# Altium PCB SCCM-2019-3-14.PcbDoc
Units mm, origin at the board's own origin, x right, y up, seen from the top; angles counter-clockwise.
Board outline 79.5 x 49.28 mm, 2 copper layers (Top Layer, Bottom Layer), stack 1.671 mm thick; 160 components, 88 nets, 502 pads, 32 vias.
Unrouted connection lines stored in the file: 220.
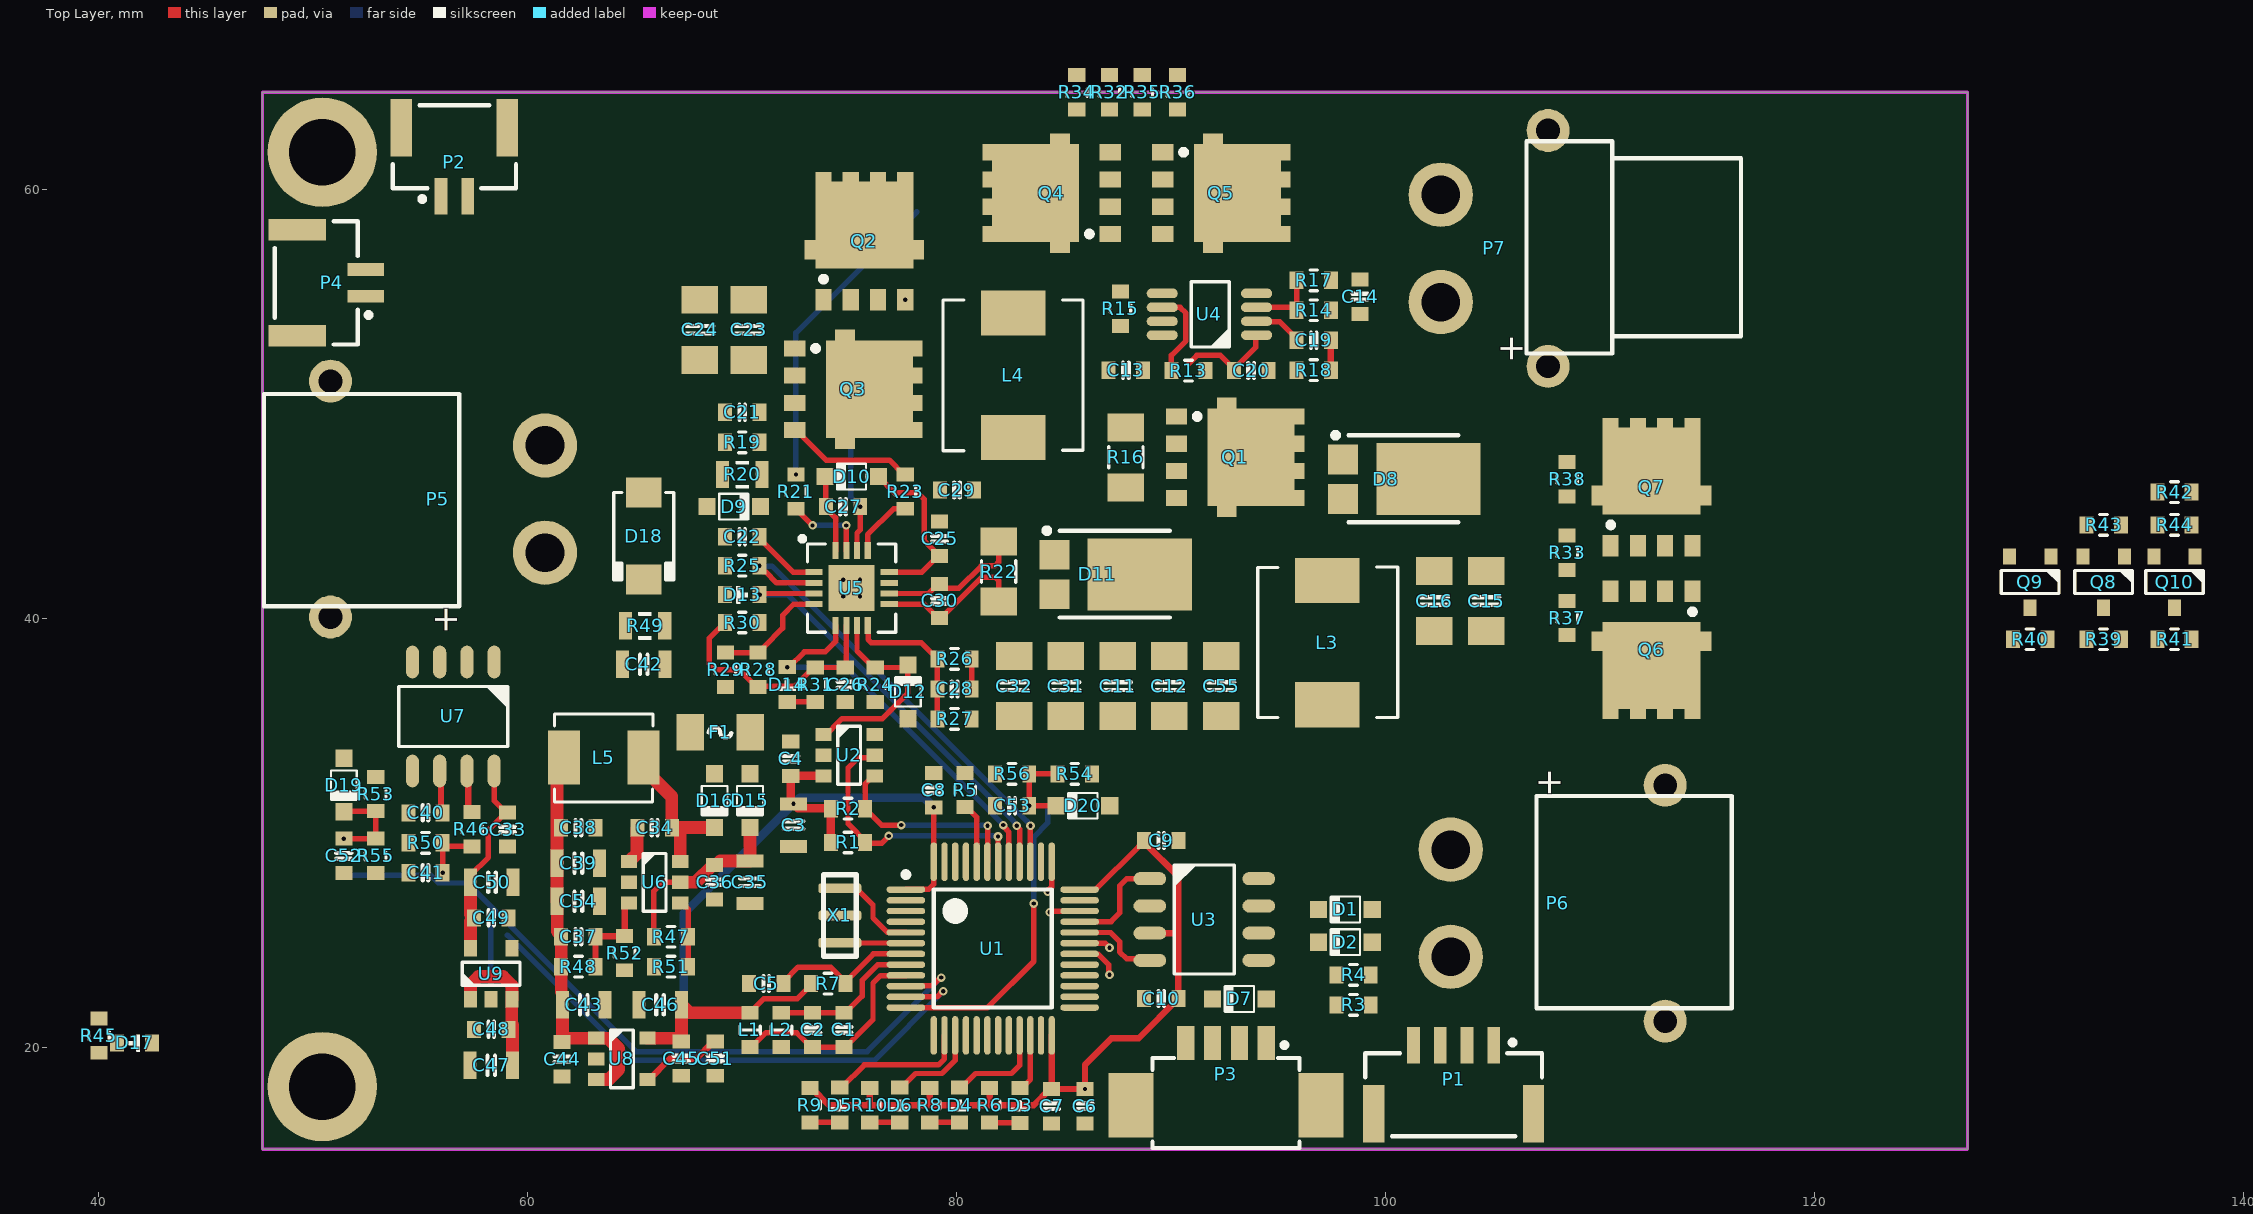
[diagram p0: Top Layer view]
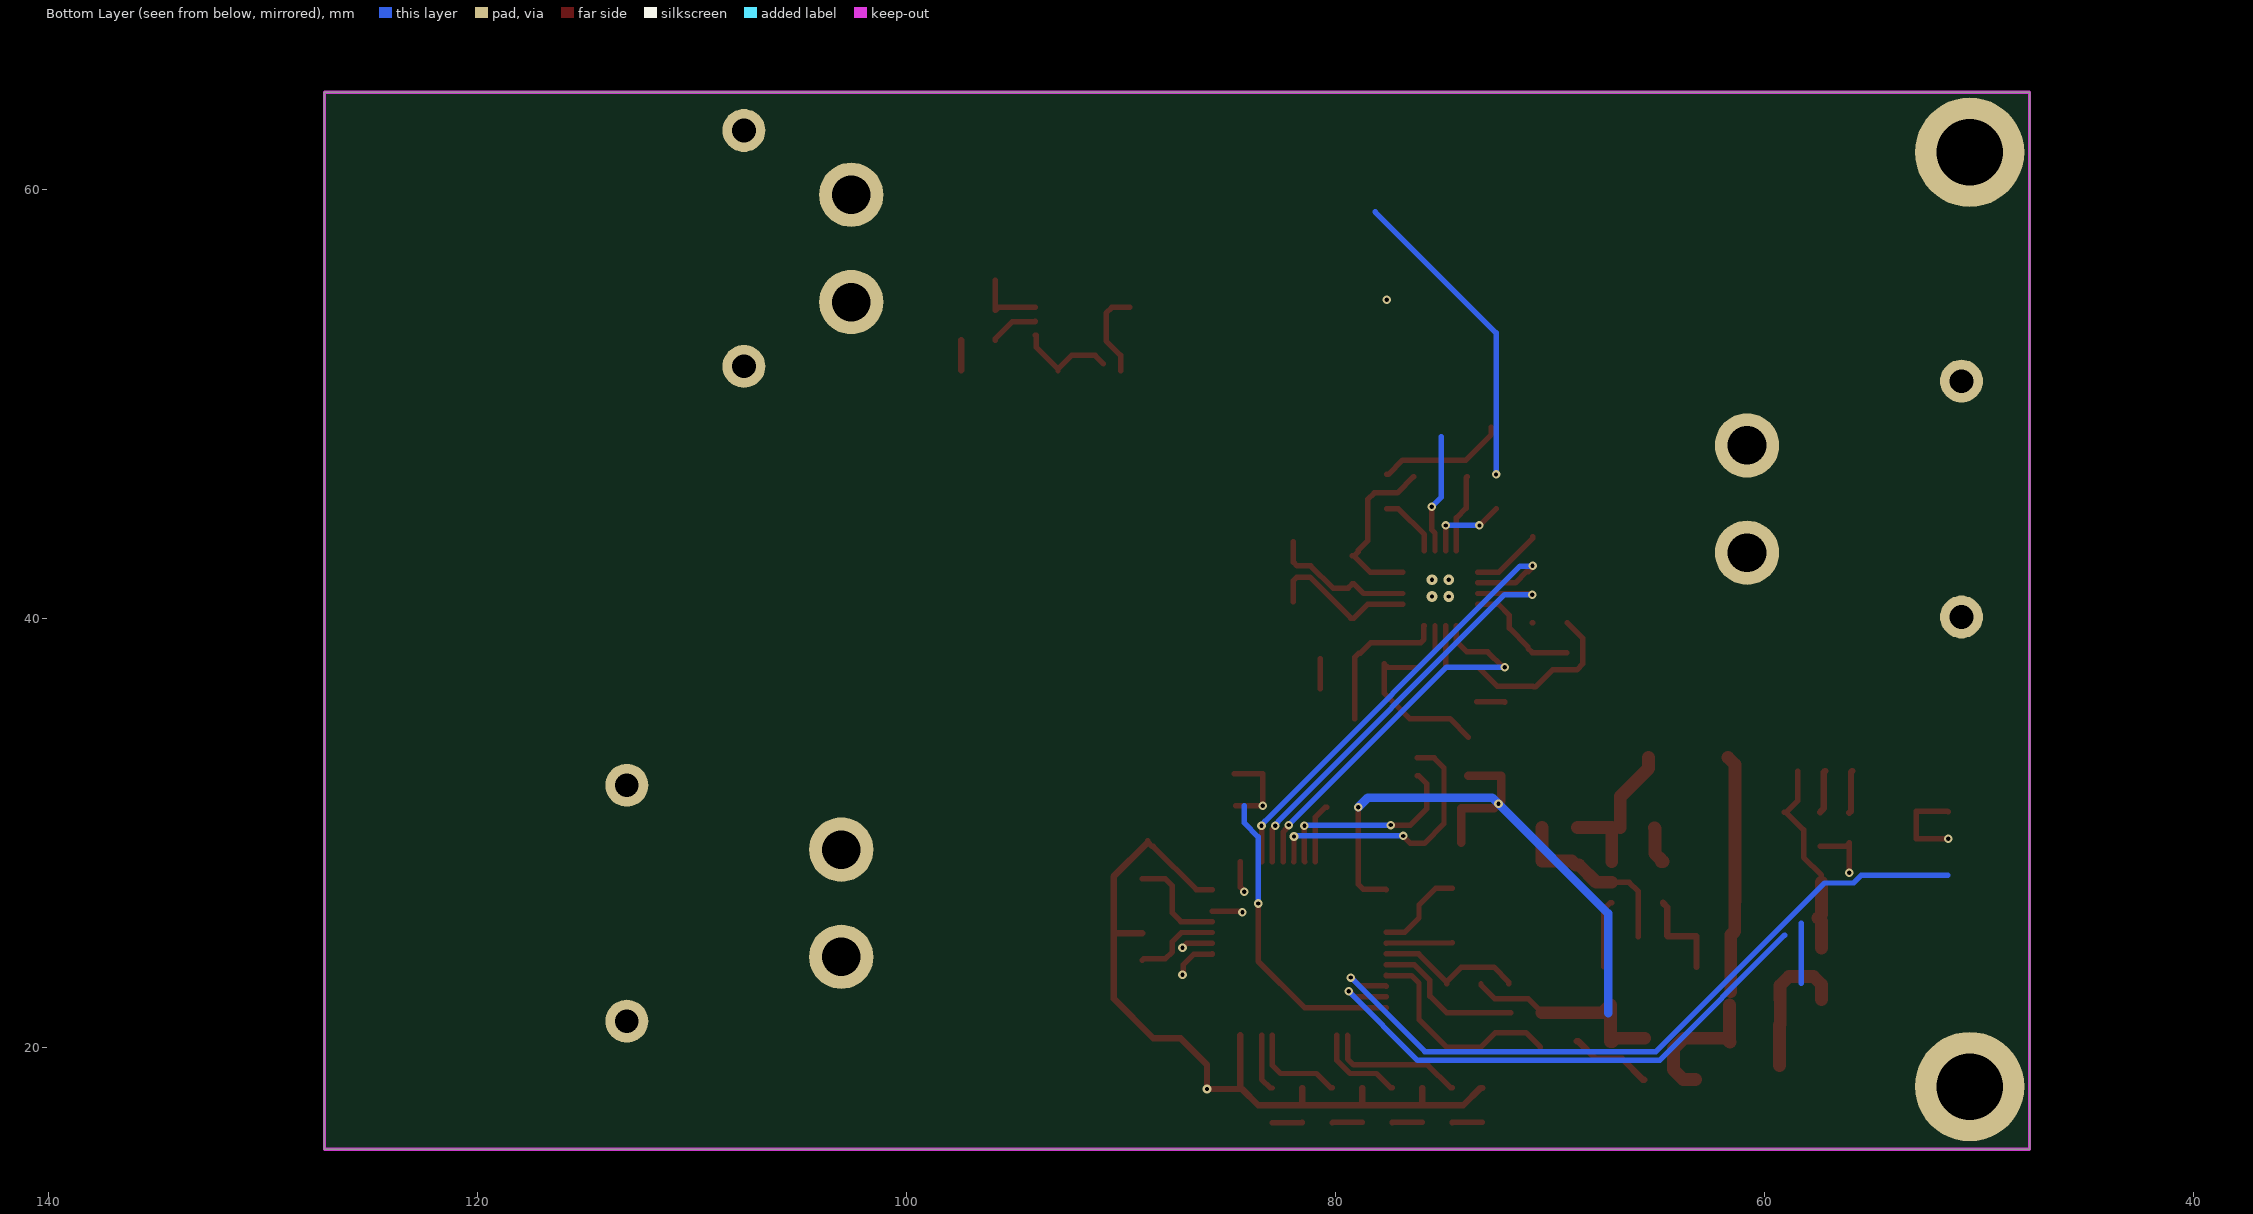
[diagram p1: Bottom Layer view, seen from below]

## Layer stack, top to bottom
Top Solder: solder mask 0.0102, Solder Resist, Dk 3.5
Top Layer: signal copper 0.0356
Dielectric 1: dielectric 1.6, FR-4, Dk 4.8
Bottom Layer: signal copper 0.0356
Bottom Solder: solder mask 0.0102, Solder Resist, Dk 3.5

## Board outline
47.625,15.24 47.625,64.516 127.127,64.516 127.127,15.24

## Design rules (kind name [scope] priority, off if disabled: settings)
Clearance Clearance_Polyon [InPolygon] p1: gap=0.254 ignorepadtopadclearanceinfootprint=FALSE except(0: Arc-Hole Track-Hole SMDPad-Hole THPad-Hole Via-Hole Fill-Hole Poly-Hole Region-Hole Text-Hole)
Clearance [All] p2: gap=0.15 ignorepadtopadclearanceinfootprint=FALSE except(0: Arc-Hole Track-Hole SMDPad-Hole THPad-Hole Via-Hole Fill-Hole Poly-Hole Region-Hole Text-Hole)
ComponentClearance [All] p1 off: gap=0.254 collisioncheckmode=3 verticalgap=2540 showdistances=FALSE
HoleToHoleClearance [All] p1: gap=0.1 allowstackedmicrovias=TRUE
PlaneClearance [All] p1: clearance=0.254
PlaneConnect [All] p1: planeconnectstyle=Direct reliefexpansion=0.508 reliefentries=4 reliefconductorwidth=0.254 reliefairgap=0.254
PolygonConnect PolygonConnect_PORT [HasFootprint('Molex-53261-0471')] p1: connectstyle=Relief reliefconductorwidth=0.254 reliefentries=4 polygonreliefangle="90 Angle" airgapwidth=0.254
PolygonConnect PolygonConnect_BTN [HasFootprint('KEY-YD-3414')] p2: connectstyle=Relief reliefconductorwidth=0.254 reliefentries=4 polygonreliefangle="90 Angle" airgapwidth=0.254
PolygonConnect PolygonConnect_CAP [HasFootprint('CAP-0603-L')] p3: connectstyle=Relief reliefconductorwidth=0.254 reliefentries=4 polygonreliefangle="90 Angle" airgapwidth=0.254
PolygonConnect PolygonConnect_Res [HasFootprint('R-0603-L')] p4: connectstyle=Relief reliefconductorwidth=0.4 reliefentries=4 polygonreliefangle="90 Angle" airgapwidth=0.254
PolygonConnect [All] p5: connectstyle=Direct reliefconductorwidth=10 reliefentries=4 polygonreliefangle="45 Angle" airgapwidth=0
RoutingPriority RoutingPriority_GND [InNet('GND')] p1: routingpriority=0
RoutingPriority [All] p2: routingpriority=1
RoutingVias [All] p1: holewidth=0.3 width=0.6 viastyle="Through Hole" minholewidth=0.2 minwidth=0.4 maxholewidth=0.711 maxwidth=1.27
SilkToSilkClearance [All] p1: silktosilkclearance=0
SilkToSolderMaskClearance [IsPad] p1: minsilkscreentomaskgap=0.1 clearancetoexposedcopper=TRUE
SolderMaskExpansion [All] p1: expansion=0.102
Width [All] p1: maxlimit=3.81 minlimit=0.1 preferedwidth=0.3
23 further rules are at their usual default settings.

## Classes and differential pairs
component class PowerPath: Q4 Q5 Q6 Q7 Q8 Q9 Q10 R32 R33 R34 R35 R36 R37 R38 R39 R40 R41 R42 R43 R44
component class Buck: C21 C22 C23 C24 C25 C26 C27 C28 C29 C30 C31 C32 D9 D10 D11 D12 D13 D14 L4 Q2 Q3 R19 R20 R21 R22 R23 R24 R25 R26 R27 R28 R29 R30 R31 U5
component class Boost: C11 C12 C13 C14 C15 C16 C19 C20 C55 D8 L3 Q1 R13 R14 R15 R16 R17 R18 U4
component class MCU: C1 C2 C3 C4 C5 C6 C7 C8 C9 C10 D1 D2 D3 D4 D5 D6 D7 L1 L2 P1 P2 P3 P4 R1 R2 R3 R4 R5 R6 R7 R8 R9 R10 U1 U2 U3 X1
component class Power: C33 C34 C35 C36 C37 C38 C39 C40 C41 C42 C43 C44 C45 C46 C47 C48 C49 C50 C51 C52 C53 C54 D15 D16 D17 D18 D19 D20 F1 L5 P5 P6 P7 R45 R46 R47 R48 R49 R50 R51 R52 R53 R54 R55 R56 U6 U7 U8 U9

## Components (designator, comment, footprint, x,y, rotation, side; value= is the part's Value field where it differs from the comment)
C1 "1uF" CAP-0603-L 74.738,20.803 r270 top
C2 "0.1uF" CAP-0603-L 73.279,20.803 r270 top
C3 "10uF" CAP-0805-L 72.39,30.353 r90 top
C4 "0.1uF" CAP-0603-L 72.263,33.443 r270 top
C5 "0.1uF" CAP-0603-L 71.12,22.962 r0 top
C6 "4.7uF" CAP-0603-L 85.979,17.247 r90 top
C7 "0.1uF" CAP-0603-L 84.42,17.247 r90 top
C8 "0.1uF" CAP-0603-L 78.929,31.979 r270 top
C9 "0.1uF" CAP-0603-L 89.535,29.629 r180 top
C10 "0.1uF" CAP-0603-L 89.535,22.263 r0 top
C11 "100uF" CAP-1206-L 87.503,36.83 r90 top
C12 "100uF" CAP-1206-L 89.916,36.83 r90 top
C13 "0.1uF" CAP-0603-L 87.884,51.562 r0 top
C14 "0.1uF" CAP-0603-L 98.806,54.991 r270 top
C15 "100uF" CAP-1206-L 104.683,40.795 r90 top
C16 "100uF" CAP-1206-L 102.27,40.795 r90 top
C19 "0.1uF" CAP-0603-L 96.647,52.959 r180 top
C20 "10nF" CAP-0603-L 93.726,51.543 r180 top
C21 "2.2uF" CAP-0603-L 70,49.6 r180 top
C22 "0.1uF" CAP-0603-L 70,43.796 r180 top
C23 "100uF" CAP-1206-L 70.306,53.444 r90 top
C24 "100uF" CAP-1206-L 68.02,53.444 r90 top
C25 "0.1uF" CAP-0603-L 79.2,43.7 r90 top
C26 "0.1uF" CAP-0603-L 74.8,36.9 r270 top
C27 "0.1uF" CAP-0603-L 74.7,45.2 r180 top
C28 "22pF" CAP-0603-L 79.9,36.7 r0 top
C29 "0.1uF" CAP-0603-L 80.01,45.974 r0 top
C30 "0.1uF" CAP-0603-L 79.2,40.8 r90 top
C31 "100uF" CAP-1206-L 85.09,36.83 r90 top
C32 "100uF" CAP-1206-L 82.677,36.83 r90 top
C33 "0.1uF" CAP-0603-L 59.055,30.146 r270 top
C34 "0.1uF" CAP-0603-L 65.913,30.226 r0 top
C35 "10uF" CAP-0805-L 70.358,27.686 r90 top
C36 "0.1uF" CAP-0603-L 68.707,27.686 r90 top
C37 "47pF" CAP-0603-L 62.357,25.146 r180 top
C38 "0.1uF" CAP-0603-L 62.357,30.226 r180 top
C39 "10uF" CAP-0805-L 62.357,28.575 r180 top
C40 "0.1uF" CAP-0603-L 55.232,30.922 r0 top
C41 "150pF" CAP-0603-L 55.232,28.128 r0 top
C42 "10nF" CAP-0805-L 65.405,37.846 r0 top
C43 "10uF" CAP-0805-L 62.611,21.971 r180 top
C44 "0.1uF" CAP-0603-L 61.595,19.431 r90 top
C45 "0.1uF" CAP-0603-L 67.158,19.464 r90 top
C46 "10uF" CAP-0805-L 66.167,21.971 r0 top
C47 "10uF" CAP-0805-L 58.293,19.15 r0 top
C48 "0.1uF" CAP-0603-L 58.293,20.828 r0 top
C49 "0.1uF" CAP-0603-L 58.293,26.025 r180 top
C50 "10uF" CAP-0805-L 58.324,27.686 r180 top
C51 "22nF" CAP-0603-L 68.738,19.464 r90 top
C52 "150pF" CAP-0603-L 51.422,28.918 r90 top
C53 "150pF" CAP-0603-L 82.581,31.255 r0 top
C54 "10uF" CAP-0805-L 62.357,26.797 r180 top
C55 "100uF" CAP-1206-L 92.329,36.83 r90 top
D1 "D3.9" SOD_323 98.121,26.416 r180 top
D2 "D3.9" SOD_323 98.121,24.892 r180 top
D3 "LED_B" LED_0603-L 82.946,17.28 r90 top
D4 "LED_W" LED_0603-L 80.135,17.294 r90 top
D5 "LED_G" LED_0603-L 74.547,17.294 r90 top
D6 "LED_R" LED_0603-L 77.341,17.294 r90 top
D7 "B5819WS" SOD_323 93.178,22.244 r180 top
D8 "SR1045L" POWERDI-5 100.838,46.482 r0 top
D9 "BZT52C27S WP" SOD_323 69.6,45.2 r0 top
D10 "B5819WS" SOD_323 75.1,46.6 r180 top
D11 "SR1045L" POWERDI-5 87.376,42.037 r0 top
D12 "Z2.1" SOD_323 77.724,36.563 r90 top
D13 "BQ_STAT" LED_0603-L 70,41.096 r0 top
D14 "BQ_PG" LED_0603-L 72.1,36.9 r90 top
D15 "B5819WS" SOD_323 70.358,31.495 r270 top
D16 "B5819WS" SOD_323 68.707,31.495 r270 top
D17 "LED_Power" LED_0603-L 41.656,20.193 r180 top
D18 "SMBJ28CA" DIODE_SMA 65.405,43.826 r270 top
D19 "Z3.9" SOD_323 51.422,32.22 r270 top
D20 "Z3.9" SOD_323 85.883,31.255 r180 top
F1 "MF-NSMF012-2" FUSE_1206 68.972,34.671 r0 top
L1 "10uH" L-0603-L 70.358,20.803 r270 top
L2 "10uH" L-0603-L 71.82,20.802 r90 top
L3 "MHCI06030-5R6M" L-0630 97.282,38.862 r90 top
L4 "MHCI06030-6R8M" L-0630 82.639,51.329 r270 top
L5 "MHCI04020-100M-R8" L-0420 63.538,33.503 r180 top
P1 "GH04" SM04B-GHS-TB 105.041,20.091 r0 top
P2 "GH02" SM02B-GHS-TB 55.952,59.665 r180 top
P3 "Molex-53261-0471" MOLEX-53261-0471 94.428,20.193 r0 top
P4 "GH02" SM02B-GHS-TB 52.451,55.011 r270 top
P5 "XT30PW_M" XT30PW-M 60.8,43.054 r90 top
P6 "XT30PW_M" XT30PW-M 103.03,29.209 r270 top
P7 "XT30PW_F" XT30PW-F 102.569,59.738 r270 top
Q1 "AON6508" DFN5X6 92.977,47.498 r0 top
Q2 "AON6508" DFN5X6 75.692,57.573 r90 top
Q3 "AON6508" DFN5X6 75.184,50.673 r0 top
Q4 "AON6407" DFN5X6 84.42,59.817 r180 top
Q5 "AON6407" DFN5X6 92.342,59.817 r0 top
Q6 "AON6407" DFN5X6 112.395,38.532 r270 top
Q7 "AON6407" DFN5X6 112.395,46.114 r90 top
Q8 "PMBT3904,215" SOT-23-3 133.477,41.684 r270 top
Q9 "PMBT3904,215" SOT-23-3 130.048,41.684 r270 top
Q10 "PMBT3904,215" SOT-23-3 136.779,41.684 r270 top
R1 "10K" R-0603-L 74.93,29.54 r180 top
R2 "10K" R-0603-L 74.93,31.115 r180 top
R3 "100R" R-0603-L 98.502,21.971 r180 top
R4 "100R" R-0603-L 98.502,23.368 r180 top
R5 "10K" R-0603-L 80.391,31.986 r90 top
R6 "4.7K" R-0603-L 81.532,17.294 r270 top
R7 "10K" R-0603-L 74.003,22.962 r180 top
R8 "4.7K" R-0603-L 78.738,17.294 r270 top
R9 "4.7K" R-0603-L 73.15,17.294 r270 top
R10 "4.7K" R-0603-L 75.944,17.294 r270 top
R13 "4R7" R-0603-L 90.805,51.543 r180 top
R14 "18.2K" R-0603-L 96.647,54.356 r0 top
R15 "44.2K" R-0603-L 87.63,54.429 r270 top
R16 "4mR" R-1206-L 87.884,47.498 r90 top
R17 "1K" R-0603-L 96.647,55.753 r180 top
R18 "1.4K" R-0603-L 96.647,51.562 r0 top
R19 "2R" R-0603-L 70,48.2 r0 top
R20 "20R" R-0805-L 70,46.7 r0 top
R21 "10R" R-0603-L 72.5,45.9 r90 top
R22 "10mR" R-1206-L 81.952,42.173 r270 top
R23 "10R" R-0603-L 77.6,45.9 r90 top
R24 "10K" R-0603-L 76.2,36.9 r90 top
R25 "10K" R-0603-L 70,42.446 r0 top
R26 "300K" R-0603-L 79.9,38.1 r0 top
R27 "33K" R-0603-L 79.9,35.3 r180 top
R28 "20K" R-0603-L 70.739,37.592 r270 top
R29 "20K" R-0603-L 69.215,37.592 r90 top
R30 "4.7K" R-0603-L 70,39.796 r0 top
R31 "4.7K" R-0603-L 73.4,36.9 r270 top
R32 "100K" R-0603-L 87.122,64.516 r90 top
R33 "100K" R-0603-L 108.458,43.053 r270 top
R34 "100K" R-0603-L 85.598,64.516 r270 top
R35 "10K" R-0603-L 88.646,64.516 r90 top
R36 "100K" R-0603-L 90.297,64.516 r270 top
R37 "10K" R-0603-L 108.458,40.005 r90 top
R38 "100K" R-0603-L 108.458,46.482 r270 top
R39 "10K" R-0603-L 133.477,39.017 r0 top
R40 "10K" R-0603-L 130.048,39.017 r180 top
R41 "4.7K" R-0603-L 136.779,39.017 r180 top
R42 "1K" R-0603-L 136.779,45.875 r0 top
R43 "10K" R-0603-L 133.477,44.351 r180 top
R44 "10K" R-0603-L 136.779,44.351 r180 top
R45 "4.7K" R-0603-L 40.005,20.536 r90 top
R46 "2K" R-0603-L 57.391,30.16 r90 top
R47 "100K" R-0603-L 66.675,25.146 r180 top
R48 "124K" R-0603-L 62.357,23.749 r180 top
R49 "33R" R-0805-L 65.469,39.65 r180 top
R50 "3K" R-0603-L 55.232,29.525 r0 top
R51 "30K" R-0603-L 66.675,23.749 r0 top
R52 "22K" R-0603-L 64.516,24.384 r90 top
R53 "20K" R-0603-L 52.908,31.801 r90 top
R54 "20K" R-0603-L 85.502,32.741 r0 top
R55 "2K" R-0603-L 52.908,28.918 r90 top
R56 "2K" R-0603-L 82.581,32.741 r0 top
U1 "STM32F103C8T6" STM-LQFP48_N 81.679,24.595 r0 top
U2 "MCP4725" SOT-23-6 74.981,33.608 r0 top
U3 "SN65HVD230DR" SOIC_8 91.542,25.947 r0 top
U4 "LM3488" MSOP_E120_P0.5_10 91.821,54.193 r180 top
U5 "BQ24640" VQFN16N 75.1,41.4 r0 top
U6 "MP2456" SOT-23-6 65.913,27.686 r0 top
U7 "ACS712ELCTR-20A" SOIC_8 56.528,35.415 r270 top
U8 "RT9193-33GB" SOT-23-5 64.389,19.451 r0 top
U9 "TPS70950DBVR" SOT-23-5 58.293,23.419 r90 top
X1 "8MHz" CSTCE_G(A)村田晶振 74.549,26.137 r90 top

## Footprints (in the part's own frame and the unit in brackets; to place one, negate y for a bottom-side part, rotate by r counter-clockwise, add the part's x,y. Pads: shape width x height; smd on the part's side, far side on the other; paste and mask are expansions set on the pad)
CAP-0603-L [mm]
  rect 0.65x0.8 smd: 1(-0.8,0) 2(0.8,0)
  silkscreen extent -0.13,-0.35 0.13,0.35, body extent -0.8,-0.4 0.8,0.4, height 0.8
CAP-0805-L [mil]
  rect 24x50 smd: 1(-39,0) 2(39,0)
  silkscreen extent -7,-18 7,18, body extent -39,-25 39,25, height 39
CAP-1206-L [mm] "Chip Capacitor, 2-Leads, Body 3.20x1.60mm, IPC Medium Density"
  rect 1.3x1.7 smd: 1(-1.4,0) 2(1.4,0)
  silkscreen extent -0.18,-0.63 0.18,0.63, body extent -1.7,-0.9 1.7,0.9, height 0.5
CSTCE_G(A)村田晶振 [mm]
  rrect50% 0.45x2 smd: 1(1.27,0) 2(0,0) 3(-1.27,0)
  silkscreen extent -1.91,-0.76 1.91,0.76, body extent -1.9,-0.8 1.9,0.8, height 1
DFN5X6 [mm]
  rect 1x0.75 smd: 1(-2.73,1.905) 2(-2.73,0.635) 3(-2.73,-0.635) 4(-2.73,-1.905) 5(2.73,-1.905) 5(2.73,-0.635) 5(2.73,0.635) 5(2.73,1.905)
  rect 0.92x0.905 smd: 5(-0.394,-2.337) 5(-0.394,2.337)
  rect 4.055x4.56 smd: 5(0.749,0)
  silkscreen extent -1.89,1.78 -1.64,2.03, body extent -3.08,-2.57 3.07,2.58, height 1.12
DIODE_SMA [mil]
  rect 55x65 smd: 1(-80,0) 2(80,0)
  silkscreen extent -80,-55 80,55, body extent -98,-53 98,53, height 85
FUSE_1206 [mm]
  rect 1.3x1.7 smd: 1(-1.4,0) 2(1.4,0)
  silkscreen extent -0.53,-0.23 0.51,0.23, body extent -1.6,-0.8 1.6,0.8, height 1.01
L-0420 [mm] "4.1*4.6*2MM(长*宽*高)"
  rect 1.5x2.5 smd: 1(-1.85,0) 2(1.85,0)
  silkscreen extent -2.3,-2.02 2.3,2.07, body extent -2.28,-2.02 2.3,2.07, height 2
L-0603-L [mm]
  rect 0.65x0.8 smd: 1(-0.8,0) 2(0.8,0)
  silkscreen extent -0.18,-0.48 0.18,0.48, body extent -0.8,-0.4 0.8,0.4, height 0.45
L-0630 [mm] "7*6.6*2.8MM(长*宽*高)"
  rect 2.1x3 smd: 1(-2.9,0) 2(2.9,0)
  silkscreen extent -3.5,-3.27 3.52,3.25, body extent -3.5,-3.25 3.52,3.25, height 2.8
LED_0603-L [mm]
  rect 0.65x0.8 smd: 1(-0.813,0) 2(0.813,0)
  silkscreen extent -0.25,-0.39 0.25,0.39, body extent -0.81,-0.4 0.81,0.4, height 0.6
MOLEX-53261-0471 [mm] "卧式1.25mm Pitch PicoBlade Header"
  rect 0.8x1.6 smd: 1(0,0) 2(-1.25,0) 3(-2.5,0) 4(-3.75,0)
  rect 2.1x3 smd: 5(-6.3,-2.9) 6(2.55,-2.9)
  silkscreen extent -5.3,-4.9 1.55,0, body extent -6.98,-4.97 3.17,0.23, height 3.4
MSOP_E120_P0.5_10 [mm]
  oval 1.45x0.45 smd: 1(-2.159,1) 2(-2.159,0.35) 3(-2.159,-0.3) 4(-2.159,-0.95) 5(2.241,-0.95) 6(2.241,-0.3) 7(2.241,0.35) 8(2.241,1)
  silkscreen extent -0.89,-1.5 0.89,1.55, body extent -2.45,-1.47 2.45,1.52, height 0.97
POWERDI-5 [mm]
  rect 1.4x1.39 smd: 1(-2.825,0.92) 2(-2.825,-0.92)
  rect 4.86x3.36 smd: 3(1.157,0)
  silkscreen extent -3.3,-2 2.55,2.17, body extent -3.3,-2.01 3.3,2.04, height 1.17
R-0603-L [mm]
  rect 0.65x0.8 smd: 1(-0.8,0) 2(0.8,0)
  silkscreen extent -0.18,-0.48 0.18,0.48, body extent -0.8,-0.4 0.8,0.4, height 0.45
R-0805-L [mil]
  rect 24x50 smd: 1(-36,0) 2(36,0)
  silkscreen extent -12,-24 12,24, body extent -39,-25 39,25, height 24
R-1206-L [mm] "Chip Res, 2-Leads, Body 3.20x1.60mm, IPC Medium Density"
  rect 1.3x1.7 smd: 1(-1.4,0) 2(1.4,0)
  silkscreen extent -0.5,-0.8 0.5,0.8, body extent -1.6,-0.8 1.6,0.8, height 1.01
SM02B-GHS-TB [mm] "GH02卧式"
  rect 0.6x1.7 smd: 1(0,0) 2(-1.25,0)
  rect 1x2.7 smd: 3(-3.1,-3.2) 4(1.85,-3.2)
  silkscreen extent -3.5,-4.25 2.25,0.22, body extent -3.5,-4.3 2.25,0.55, height 4.35
SM04B-GHS-TB [mm] "GH04卧式"
  rect 0.6x1.7 smd: 1(0,0) 2(-1.25,0) 3(-2.5,0) 4(-3.75,0)
  rect 1x2.7 smd: 5(-5.6,-3.2) 6(1.85,-3.2)
  silkscreen extent -6,-4.25 2.25,0.22, body extent -6,-4.3 2.25,0.55, height 4.35
SOD_323 [mm]
  rect 0.8x0.8 smd: 1(-1.25,0) 2(1.25,0)
  silkscreen extent -0.67,-0.6 0.72,0.6, body extent -1.3,-0.68 1.3,0.68, height 1.1
SOIC_8 [mil]
  oval 60x24 smd: 1(-100,75) 2(-100,25) 3(-100,-25) 4(-100,-75) 5(100,-75) 6(100,-25) 7(100,25) 8(100,75)
  silkscreen extent -55,-100 55,100, body extent -118,-96 118,96, height 69
SOT-23-3 [mil]
  rect 30x24 smd: 1(-47,38) 2(-47,-38) 3(47,0)
  silkscreen extent -21,-53 21,53, body extent -55,-57 55,57, height 51
SOT-23-5 [mil]
  rect 30x24 smd: 1(-47,38) 2(-47,0) 3(-47,-38) 4(47,-38) 5(47,38)
  silkscreen extent -21,-53 21,53, body extent -55,-57 55,57, height 57
SOT-23-6 [mil]
  rect 30x24 smd: 1(-47,38) 2(-47,0) 3(-47,-38) 4(47,-38) 5(47,0) 6(47,38)
  silkscreen extent -21,-53 21,53, body extent -55,-57 55,57, height 57
STM-LQFP48_N [mm] "QFP, 48-Leads, Body 7x7mm, Pitch 0.5mm, IPC Medium Density"
  oval 1.8x0.3 smd: 1(-4.05,2.75) 2(-4.05,2.25) 3(-4.05,1.75) 4(-4.05,1.25) 5(-4.05,0.75) 6(-4.05,0.25) 7(-4.05,-0.25) 8(-4.05,-0.75) 9(-4.05,-1.25) 10(-4.05,-1.75) 11(-4.05,-2.25) 12(-4.05,-2.75) 25(4.05,-2.75) 26(4.05,-2.25) 27(4.05,-1.75) 28(4.05,-1.25) 29(4.05,-0.75) 30(4.05,-0.25) 31(4.05,0.25) 32(4.05,0.75) 33(4.05,1.25) 34(4.05,1.75) 35(4.05,2.25) 36(4.05,2.75)
  oval 0.3x1.8 smd: 13(-2.75,-4.05) 14(-2.25,-4.05) 15(-1.75,-4.05) 16(-1.25,-4.05) 17(-0.75,-4.05) 18(-0.25,-4.05) 19(0.25,-4.05) 20(0.75,-4.05) 21(1.25,-4.05) 22(1.75,-4.05) 23(2.25,-4.05) 24(2.75,-4.05) 37(2.75,4.05) 38(2.25,4.05) 39(1.75,4.05) 40(1.25,4.05) 41(0.75,4.05) 42(0.25,4.05) 43(-0.25,4.05) 44(-0.75,4.05) 45(-1.25,4.05) 46(-1.75,4.05) 47(-2.25,4.05) 48(-2.75,4.05)
  silkscreen extent -4.17,-2.75 2.75,3.57, body extent -3.5,-3.5 3.5,3.5, height 1.6
VQFN16N [mm]
  rect 0.8x0.28 smd: 1(-1.75,0.75) 2(-1.75,0.25) 3(-1.75,-0.25) 4(-1.75,-0.75) 9(1.75,-0.75) 10(1.75,-0.25) 11(1.75,0.25) 12(1.75,0.75)
  rect 0.28x0.8 smd: 5(-0.75,-1.75) 6(-0.25,-1.75) 7(0.25,-1.75) 8(0.75,-1.75) 13(0.75,1.75) 14(0.25,1.75) 15(-0.25,1.75) 16(-0.75,1.75)
  rect 2.14x2.14 smd: 17(0,0)
  silkscreen extent -2.4,-2.06 2.06,2.4, body extent -1.75,-1.75 1.75,1.75, height 1
XT30PW-F [mm]
  round 2 hole 1.1: 0(-3,5) 0(8,5)
  round 3 hole 1.8: 1(5,0) 2(0,0)
  silkscreen extent -2.5,4 7.4,14, body extent -4.15,-0.9 9.15,14, height 5.1
XT30PW-M [mm]
  round 2 hole 1.1: 0(-3,10) 0(8,10)
  round 3 hole 1.8: 1(0,0) 2(5,0)
  silkscreen extent -2.5,4 7.4,13.1, body extent -4.2,-0.88 9.1,13.08, height 5.15

## Part data
C1 C2 C3 C4 C5 C6 C7 C8 C9 C10 C11 C12 C13 C14 C15 C16 C19 C20 C21 C22 C23 C24 C25 C26 C27 C28 C29 C30 C31 C32 C33 C34 C35 C36 C37 C38 C39 C40 C41 C42 C43 C44 C45 C46 C47 C48 C49 C50 C51 C52 C53 C54 C55: library part CAP
D1 D2 D9 D12 D19 D20: library part Diode_ZD
D3 D4 D5 D6 D13 D14 D17: library part LED
D7 D10 D15 D16: library part Diode
D8 D11: library part Diode_1
D18: library part TVS_C
F1: library part Fuse
L1 L2 L3 L4 L5: library part Inductor, "电感"
P1: library part GHS-M04B, "04GH座"
P2 P4: library part GHS-M02B, "02GH座"
P3: "1.25mm Pitch PicoBlade Header"
P5 P6 P7: library part XT30, "XT30"
Q1 Q2 Q3: library part MOS-N_1
Q4 Q5 Q6 Q7: library part MOS-P_1
Q8 Q9 Q10: library part BJT_NPN, "Transistor"
R1 R2 R3 R4 R5 R6 R7 R8 R9 R10 R13 R14 R15 R16 R17 R18 R19 R20 R21 R22 R23 R24 R25 R26 R27 R28 R29 R30 R31 R32 R33 R34 R35 R36 R37 R38 R39 R40 R41 R42 R43 R44 R45 R46 R47 R48 R49 R50 R51 R52 R53 R54 R55 R56: library part Res
U1: "ARM Cortex-M3 32-bit MCU, 64 KB Flash, 20 KB Internal RAM, 37 I/Os, 48-pin LQFP, -40 to 85 degC, Tray", I/Os (High Current)=37, Operating Frequency(F) (Processor speed) (MHz)=72, Supplier Part Number 1=497-6063-ND, Supply Voltage(Vcc) min (V)=2, A/D Converter="2x12-bit (10 Channel)", ComponentLink1Description="Manufacturer URL", ComponentLink1URL=http://www.st.com/web/en/home.html, ComponentLink2Description=Datasheet, ComponentLink2URL=http://www.st.com/st-web-ui/static/active/en/resource/technical/document/datasheet/CD00161566.pdf, ComponentLink3Description="Package Specification", ComponentLink3URL=http://www.st.com/st-web-ui/static/active/en/resource/technical/document/datasheet/DM00058181.pdf, Core="ARM Cortex-M3", DatasheetVersion="Rev. 16", FLASH Size (Prog) (kB)=64, Internal RAM Size (kB)=20, Mounting Technology="Surface Mount", PackageDescription="48-Pin Low Profile Quad Flat Package, 7 x 7 mm Body, 0.5 mm Pitch", PackageReference=LQFP48, PackageVersion="Rev. 6, 06/2013", Packing=Tray, PartNumber=STM32F103C8T6, Supplier 1=Digi-Key, Supplier 2=Farnell, Supplier 3=Newark, Supplier 4=Newark, Supplier 5=Mouser, Supplier Part Number 2=1447637, Supplier Part Number 3=59M2182, Supplier Part Number 4=57P1222, Supplier Part Number 5=511-STM32F103C8T6
U2: "I2C 12bit DAC"
U3: "CANоƬ"
U4: "Automotive High-Efficiency Controller for Boost, SEPIC and Fly-Back DC-DCConverters"
U5: "用于超级电容器的高效同步开关模式电池充电控制器"
U7: library part ACS712ELCTR, "电流测量芯片"
U8: library part RT9193, "LDO"
U9: library part TPS709, "具有使能端的 150-mA 超低 Iq LDO"
X1: library part XTAL-3215

## Free pads (board coordinates)
  round 5.1 hole 3.1: 0(50.419,18.161) 0(50.419,61.722)

## Via types
v1: diameter 0.4, hole 0.2, Top Layer to Bottom Layer, tented both sides, 28 vias
v2: diameter 0.5, hole 0.2, Top Layer to Bottom Layer, 4 vias

## Nets (pads, with @x,y where several pads share a name; then routed paths per layer and width w, separated by ;. In a path a pad name is that pad's centre, name@x,y a point inside that pad or via, vN(x,y) a via of type N, cw(c..) or ccw(c..) an arc to the next point about the centre after c; other vN are vias at no path point)
BAT_IAD: C41.2 R46.1 R50.2 U1.11 | length 31.6
  Top Layer w0.254: v1(56.032,28.128) R50.2 56.197,29.36 R46.1 ; U1.11 79.074,22.345 79.335,22.606 v1(79.375,22.606)
  Bottom Layer w0.254: 58.279,22.974 58.279,25.77 ; 59.044,25.22 64.877,19.386 76.155,19.386 v1(79.375,22.606)
BAT_VAD: C52.2 D19.2 R53.1 R55.2 U1.10 | length 38.8
  Top Layer w0.254: v1(51.422,29.718) R55.2 R53.1 51.453,31.001 D19.2 ; U1.10 77.638,22.853 78.848,22.853 79.235,23.241 v1(79.275,23.241)
  Bottom Layer w0.254: 51.435,28.016 55.47,28.016 55.835,27.651 57.185,27.651 65.046,19.79 75.824,19.79 v1(79.275,23.241)
BQ_EN: R25.2 U1.39 U5.2 | length 22.3
  Top Layer w0.254: v1(70.8,42.446) 70.8,42.371 70.998,42.173 71.073,42.173 71.596,41.65 U5.2 ; U1.39 83.434,28.65 83.434,30.323 v1(83.439,30.328)
  Bottom Layer w0.254: v1(70.8,42.446) 70.821,42.425 71.381,42.425 83.281,30.525 83.439,30.367 v1(83.439,30.328)
BQ_ISET: D12.2 R24.2 U2.1 U5.7 | length 10.1
  Top Layer w0.254: U2.1@73.787,34.446 74.653,35.313 76.532,35.313 77.724,36.505 D12.2 77.724,37.874 77.55,37.7 R24.2 76.125,37.7 75.35,38.475 U5.7
BQ_ISRN: C28.2 C30.1 C31.2 C32.2 D11.1 D11.2 R22.2 R26.2 U5.9 | length 8.6
  Top Layer w0.254: U5.9 78.475,40.65 79.125,40 79.275,40 81.185,41.91 81.788,41.91 81.952,41.746 R22.2 ; C28.2 R26.2
BQ_ISRP: C29.2 C30.2 L4.2 R22.1 U5.10 | length 6.8
  Top Layer w0.254: U5.10 78.675,41.15 79.125,41.6 C30.2 79.398,41.402 80.105,41.402 81.143,42.44 81.782,42.44 81.952,42.61 R22.1
BQ_PG: D14.2 U1.41 U5.5 | length 18.4
  Top Layer w0.254: v1(72.1,37.713) 72.175,37.713 72.896,38.434 73.867,38.434 74.35,38.917 U5.5 ; v1(82.169,30.353) 82.169,30.313 82.327,30.155 82.327,30.13 82.429,30.028 U1.41
  Bottom Layer w0.254: v1(72.1,37.713) 74.809,37.713 v1(82.169,30.353)
BQ_STAT: D13.2 U1.40 U5.3 | length 20.8
  Top Layer w0.254: v1(70.813,41.096) 70.867,41.15 U5.3 ; v1(82.804,30.328) 82.804,30.288 82.929,30.163 U1.40
  Bottom Layer w0.254: v1(70.813,41.096) 72.101,41.096 82.646,30.551 82.646,30.525 82.804,30.367 v1(82.804,30.328)
BQ_TS_1V65: R28.1 R29.2 U5.4 | length 5.5
  Top Layer w0.254: R29.2 R28.1 70.814,38.392 71.012,38.59 71.012,38.665 71.882,39.535 71.882,40.132 72.4,40.65 U5.4
BQ_VFB: C28.1 R26.1 R27.2 U5.8 | length 7.1
  Top Layer w0.254: U5.8 75.863,39.637 75.863,39.011 76.012,38.862 78.338,38.862 78.827,38.373 78.902,38.373 79.1,38.175 R26.1 C28.1 R27.2
BQ_VREF_3V3: C26.1 R28.2 R30.1 R31.1 U5.6 | length 11.3
  Top Layer w0.254: R30.1@69.187,39.796 68.453,39.062 68.453,37.877 68.738,37.592 69.864,37.592 70.664,36.792 R28.2 ; R28.2@70.8,36.83 72.455,36.83 73.325,37.7 R31.1 C26.1 74.85,37.75 U5.6
CAN_H: P2.1 P4.1 U3.7
CAN_L: P2.2 P4.2 U3.6
CAN_RX: U1.32 U3.4 | length 4.1
  Top Layer w0.254: U1.32 87.177,25.345 87.599,24.923 87.599,24.44 87.93,24.11 88.934,24.11 U3.4
CAN_TX: U1.33 U3.1 | length 4.8
  Top Layer w0.254: U1.33 85.738,25.853 87.194,25.853 87.599,26.258 87.599,27.517 87.934,27.852 U3.1
CAP_VAD: C53.2 D20.2 R54.1 R56.2 U1.12 | length 18.4
  Top Layer w0.254: U1.12 81.434,21.845 83.592,24.003 v1(83.592,26.695) ; R56.2 R54.1 ; R56.2 v1(83.381,31.255) D20.2
  Bottom Layer w0.254: v1(83.592,26.695) 83.592,29.806 84.239,30.453 84.239,31.255
GND: C3.1 C4.1 C5.1 C6.1 C7.1 C8.1 C9.1 C10.1 C11.1 C12.1 C13.1 C14.1 C15.1 C16.1 C20.1 C21.2 C22.2 C23.1 C24.1 C25.2 C26.2 C29.1 C31.1 C32.1 C33.2 C35.1 C36.1 C38.1 C39.1 C40.1 C41.1 C42.1 C43.1 C44.1 C45.1 C46.1 C47.1 C48.1 C49.1 C50.1 C51.1 C52.1 C53.1 C54.1 C55.1 D1.1 D2.1 D9.1 D12.1 D16.1 D17.2 D18.1 D19.1 D20.1 L2.1 P1.2 P1.5 P1.6 P2.3 P2.4 P3.2 P3.5 P3.6 P4.3 P4.4 P5.2 P6.2 P7.2 pad.0@50.419,61.722 Q3.1 Q3.2 Q3.3 Q8.2 Q9.2 Q10.2 R5.2 R15.1 R16.1 R17.1 R18.1 R24.1 R25.1 R27.1 R29.1 R34.1 R36.1 R38.1 R43.2 R44.2 R50.1 R51.1 R52.1 R55.1 R56.1 U1.23 U1.35 U1.47 U2.2 U2.6 U3.2 U3.8 U4.4 U4.5 U5.11 U5.17 U6.2 U7.5 U8.2 U9.2 X1.2
  other v2: 74.706,41.006 75.494,41.006 74.706,41.794 75.494,41.794
I2C_SCL: R1.1 U1.42 U2.5 | length 12.7
  Top Layer w0.254: U2.5@76.175,33.481 75.391,33.481 74.93,33.02 74.93,30.415 75.842,29.503 76.493,29.503 v1(76.835,29.845) ; v1(81.922,29.82) 81.922,28.652 U1.42
  Bottom Layer w0.254: v1(76.835,29.845) v1@81.922,29.845
I2C_SDA: R2.1 U1.43 U2.4 | length 9.5
  Top Layer w0.254: U2.4 76.098,32.643 75.73,32.274 R2.1 76.492,30.353 v1(77.416,30.353) ; U1.43 81.438,28.653 v1(81.438,30.328)
  Bottom Layer w0.254: v1(77.416,30.353) v1@81.438,30.353
LED_CAPFULL: D5.2 U1.14 | length 6.5
  Top Layer w0.254: D5.2 74.622,18.107 75.69,19.175 79.144,19.175 79.42,19.451 79.42,20.536 U1.14
LED_CAPLOW: D6.2 U1.15 | length 4.3
  Top Layer w0.254: D6.2 77.416,18.107 78.08,18.771 79.311,18.771 79.92,19.379 79.92,20.536 U1.15
LED_ID: D3.2 U1.22 | length 2.7
  Top Layer w0.254: D3.2 83.021,18.092 83.429,18.501 U1.22
LED_MODE: D4.2 U1.21 | length 4.6
  Top Layer w0.254: D4.2 80.21,18.107 80.874,18.771 82.55,18.771 82.929,19.15 U1.21
LM_VFB: R14.1 R17.2 U4.3 | length 3.3
  Top Layer w0.254: U4.3 95.71,54.493 R14.1 R17.2
NetC19_1: C19.1 R18.2 | length 1.4
  Top Layer w0.3: R18.2 C19.1
NetC19_2: C19.2 U4.2 | length 2.3
  Top Layer w0.254: U4.2 94.009,53.814 95.067,53.814 95.847,53.034 C19.2
NetC20_2: C20.2 Q1.1 Q1.2 Q1.3 R16.2 U4.1 | length 4.7
  Top Layer w0.254: 90.805,51.86 91.194,52.249 92.295,52.249 C20.2@92.926,51.618 ; C20.2 C20.2@92.926,51.618 ; U4.1 93.943,53.193 93.943,52.635 C20.2@92.926,51.618
NetC21_1: C21.1 R19.2
NetC22_1: C22.1 D9.2 R20.2 U5.1 | length 3.3
  Top Layer w0.254: C22.1 70.8,43.721 72.371,42.15 U5.1
NetC25_1: C25.1 D10.1 U5.12 | length 8.1
  Top Layer w0.254: D10.1 77.103,45.847 78.181,45.847 78.492,45.536 78.492,43.608 78.927,43.173 78.927,43.098 C25.1@79.125,42.9 ; U5.12 78.375,42.15 C25.1@79.125,42.9 ; C25.1 C25.1@79.125,42.9
NetC27_1: C27.1 L4.1 Q2.1 Q2.2 Q2.3 Q3.5 U5.14 | length 5.6
  Top Layer w0.254: U5.14 75.35,43.961 75.5,44.111 v1(75.5,45.2)
  Bottom Layer w0.254: 75.057,48.463 75.057,45.643 v1(75.5,45.2)
NetC27_2: C27.2 D10.2 U5.16 | length 3.7
  Top Layer w0.254: D10.2 73.9,46.55 C27.2 73.9,45.125 74.35,44.675 U5.16
NetC34_1: C34.1 U6.1 | length 1.8
  Top Layer w0.6: U6.1 64.795,28.651 64.8,28.656 64.8,28.732 65.088,29.02 65.088,30.201 C34.1
NetC34_2: C34.2 D16.2 L5.1 U6.6 | length 7
  Top Layer w0.6: L5.1 65.388,33.003 66.713,31.678 C34.2 ; U6.6 67.107,30.226 ; 67.107,30.236 68.697,30.236 D16.2@68.697,30.235
NetC35_2: C35.2 C36.2 D15.2 R47.2 U6.5 | length 8.8
  Top Layer w0.254: R47.2 65.875,27.267 66.294,27.686 U6.5
  Top Layer w0.6: U6.5 67.832,27.686 68.632,28.486 C36.2 68.782,28.486 68.972,28.677 C35.2 D15.2
NetC37_1: C37.1 R48.1 R52.2 U6.3 | length 4.4
  Top Layer w0.3: R48.1 C37.1 63.176,25.165 64.497,25.165 R52.2 64.516,26.518 U6.3
NetC40_2: C40.2 U7.6 | length 2
  Top Layer w0.3: U7.6 55.952,32.816 55.952,31.003 C40.2
NetC42_2: C42.2 R49.1
NetC51_2: C51.2 U8.4 | length 3.9
  Top Layer w0.3: U8.4 65.659,18.486 66.624,19.451 67.849,19.451 68.663,20.264 C51.2
NetD3_1: D3.1 R6.2 | length 1.4
  Top Layer w0.254: R6.2 81.546,16.48 82.932,16.48 D3.1
NetD4_1: D4.1 R8.2 | length 1.4
  Top Layer w0.254: R8.2 78.744,16.487 80.129,16.487 D4.1
NetD5_1: D5.1 R9.2 | length 1.4
  Top Layer w0.254: R9.2 73.156,16.487 74.541,16.487 D5.1
NetD6_1: D6.1 R10.2 | length 1.4
  Top Layer w0.254: R10.2 75.95,16.487 77.335,16.487 D6.1
NetD7_1: D7.1 P3.1
NetD8_1: D8.1 D8.2 L3.2 Q1.5
NetD13_1: D13.1 R30.2 | length 0
  Top Layer w0.254: R30.2 R30.2@70.813,39.783
NetD14_1: D14.1 R31.2 | length 1.3
  Top Layer w0.254: D14.1 72.106,36.094 73.394,36.094 R31.2
NetD15_1: D15.1 F1.2
NetD17_1: D17.1 R45.1
NetD18_2: D18.2 P5.1 R49.2 U7.1 U7.2
NetP1_3: P1.3 R4.1
NetP1_4: P1.4 R3.1
NetQ1_4: Q1.4 R13.1
NetQ2_4: Q2.4 R21.2 | length 14.6
  Bottom Layer w0.254: v1(72.5,46.7) 72.5,53.305 78.137,58.942
  other v1: 77.597,54.843
NetQ3_4: Q3.4 R23.2 | length 6
  Top Layer w0.254: Q3.4@72.72,48.895 72.72,48.565 73.914,47.371 76.854,47.371 77.525,46.7 R23.2
NetQ4_1: Q4.1 Q4.2 Q4.3 Q5.1 Q5.2 Q5.3 R32.1 R35.2
NetQ4_4: Q4.4 Q5.4 R35.1 R39.2
NetQ6_1: Q6.1 Q6.2 Q6.3 Q7.1 Q7.2 Q7.3 R33.2 R37.2
NetQ6_4: Q6.4 Q7.4 R37.1 R40.2
NetQ8_1: Q8.1 Q10.3 R41.1 R43.1
NetQ8_3: Q8.3 R39.1
NetQ9_3: Q9.3 R40.1
NetR5_1: R5.1 U1.44 | length 2.8
  Top Layer w0.254: R5.1 80.466,31.186 80.929,30.723 U1.44
NetR13_2: R13.2 U4.6 | length 4.2
  Top Layer w0.254: U4.6 90.414,54.493 90.686,54.221 90.686,52.93 90.005,52.249 R13.2
NetR15_2: R15.2 U4.7
NetR21_1: R21.1 U5.15 | length 3.8
  Top Layer w0.254: R21.1 v1(73.279,44.323) v1(73.279,44.323) ; U5.15 v1(74.85,44.323)
  Bottom Layer w0.254: v1(73.279,44.323) v1(74.85,44.323)
NetR23_1: R23.1 U5.13 | length 3
  Top Layer w0.254: U5.13 75.85,43.89 77.06,45.1 R23.1
NetR46_2: R46.2 U7.7 | length 2
  Top Layer w0.3: U7.7 57.222,32.816 57.222,31.129 R46.2
NetR47_1: R47.1 R51.2 U6.4 | length 3.2
  Top Layer w0.254: U6.4 67.183,26.721 67.475,26.429 R47.1 R51.2
NetU1_5: U1.5 X1.1 | length 4.3
  Top Layer w0.254: X1.1 75.324,27.407 76.094,26.636 76.094,26.025 76.766,25.353 77.62,25.353 U1.5
NetU1_6: U1.6 X1.3 | length 3.1
  Top Layer w0.254: X1.3 74.562,24.853 77.62,24.853 U1.6
NRST: C5.2 R7.1 U1.7 | length 7
  Top Layer w0.254: C5.2 71.92,23.037 72.607,23.724 74.116,23.724 R7.1@74.803,23.037 ; R7.1 R7.1@74.803,23.037 ; U1.7 76.111,24.345 R7.1@74.803,23.037
P_SW: Q9.1 Q10.1 R42.2 R44.1
POWER_SW: R42.1 U1.13
SWCLK: P3.3 U1.37 | length 1.5
  Top Layer w0.254: v1(84.239,27.238) 84.239,27.277 84.42,27.459 84.42,28.636 U1.37
SWDIO: P3.4 U1.34 | length 1.4
  Top Layer w0.254: v1(84.328,26.289) 84.368,26.289 84.423,26.345 U1.34
USART1_RX: D2.2 R4.2 U1.31 | length 1.5
  Top Layer w0.254: U1.31 85.738,24.836 86.924,24.836 v1(87.122,24.638)
USART1_TX: D1.2 R3.2 U1.30 | length 2.1
  Top Layer w0.254: U1.30 85.738,24.336 86.592,24.336 87.094,23.833 87.094,23.396 v1(87.122,23.368)
USER_SW: U1.27
VCC_3V3: C3.2 C4.2 C6.2 C7.2 C8.2 C9.2 C10.2 C45.2 C46.2 L1.1 R1.2 R2.2 R6.1 R7.2 R8.1 R9.1 R10.1 U1.1 U1.24 U1.36 U1.48 U2.3 U3.3 U8.5 | length 78.6
  Top Layer w0.254: L1.1 71,22.244 72.561,22.244 73.203,22.887 R7.2 ; U1.1 77.638,27.353 78.687,27.353 78.92,27.587 78.92,28.636 U1.48 v1(78.929,31.179) ; U1.36 86.479,27.345 88.49,29.356 88.537,29.356 88.735,29.554 C9.2
  Top Layer w0.3: R9.1 73.225,18.094 74.025,17.294 75.946,17.294 ; R10.1 75.944,17.296 75.946,17.294 ; R8.1 78.738,17.296 78.74,17.294 ; R6.1 81.532,17.296 81.534,17.294 ; U1.24@84.42,20.536 U1.24 84.429,18.055 C7.2 ; C9.2@88.735,29.554 90.335,27.954 90.335,25.311 ; U3.3 90.334,25.312 C10.2 88.482,20.411 87.213,20.411 85.979,19.177 v1(85.979,18.047) C7.2 ; 75.946,17.294 78.74,17.294 ; 78.74,17.294 81.534,17.294 ; 81.534,17.294 83.592,17.294 84.345,18.047 C7.2
  Top Layer w0.4: U2.3 C4.2 72.263,31.471 v1(72.39,31.344) 72.588,31.146 74.13,31.146 R2.2 R1.2
  Top Layer w0.6: U8.5 66.931,20.416 67.083,20.264 C45.2 C46.2 67.526,21.602 L1.1
  Bottom Layer w0.4: 67.278,21.59 67.278,26.232 v1(72.39,31.344) 72.673,31.627 78.481,31.627 v1(78.929,31.179)
VCC_5V: C33.1 C49.2 C50.2 U7.8 U9.5 | length 9.4
  Top Layer w0.254: C50.2 57.334,28.016 58.166,28.848 58.166,30.132 C33.1@58.98,30.946 ; U7.8 58.433,31.493 C33.1@58.98,30.946 ; C33.1 C33.1@58.98,30.946
  Top Layer w0.6: U9.5 57.333,24.617 57.333,25.865 C49.2 57.334,26.185 C50.2
VCC_5V3: C37.2 C38.2 C39.2 C43.2 C44.2 C47.2 C48.2 C54.2 D7.2 L5.2 R41.2 R45.2 R48.2 U8.1 U8.3 U9.1 U9.3 | length 24.7
  Top Layer w0.6: U9.1 57.328,22.922 57.697,23.292 58.839,23.292 59.258,22.873 U9.3 59.253,22.22 59.253,21.063 59.284,21.033 C47.2 ; C43.2@61.557,22.58 R48.2 C37.2 61.557,25.221 61.371,25.407 61.371,26.792 C54.2 C39.2 61.366,33.181 L5.2 ; C44.2 C44.2@61.616,20.252 ; C43.2 61.616,21.966 C44.2@61.616,20.252 ; U8.3 63.2,18.49 63.776,18.49 64.237,18.951 64.237,19.928 63.754,20.411 63.2,20.411 U8.1 61.78,20.416 C44.2@61.616,20.252
VCC_BAT: C23.2 C24.2 F1.1 Q2.5 Q4.5 R19.1 R20.1 R32.2 R34.2 R53.2 U7.3 U7.4
VCC_CAP: C11.2 C12.2 C13.2 C55.2 D11.3 L3.1 P6.1 R54.2 U4.8
VCC_CAPBOOST: C14.2 C15.2 C16.2 D8.3 Q7.5 R14.2 R33.1 R38.2
VCC_OUT: P7.1 Q5.5 Q6.5 R36.2
VDDA_MCU: C1.2 C2.2 L1.2 U1.9 | length 10.2
  Top Layer w0.254: L1.2@70.433,20.002 71.106,20.676 72.531,20.676 73.204,20.002 C2.2 ; C2.2@73.214,20.003 C1.2 74.813,20.003 76.096,21.285 76.096,22.978 76.454,23.336 77.62,23.336 U1.9
VSSA_MCU: C1.1 C2.1 L2.2 U1.8 | length 7.2
  Top Layer w0.254: L2.2 73.214,21.603 C1.1 74.813,21.603 75.588,22.377 75.588,23.112 76.321,23.845 U1.8
pads on no net: P1.1 P5.0 P6.0 P7.0 U1.2 U1.3 U1.4 U1.16 U1.17 U1.18 U1.19 U1.20 U1.25 U1.26 U1.28 U1.29 U1.38 U1.45 U1.46 U3.5 U9.4

## Keep-outs
Keep-Out Layer:
  the board outline again, w0.15